# Altium PCB EVT_A.PcbDoc (part 1 of 2) (continued)
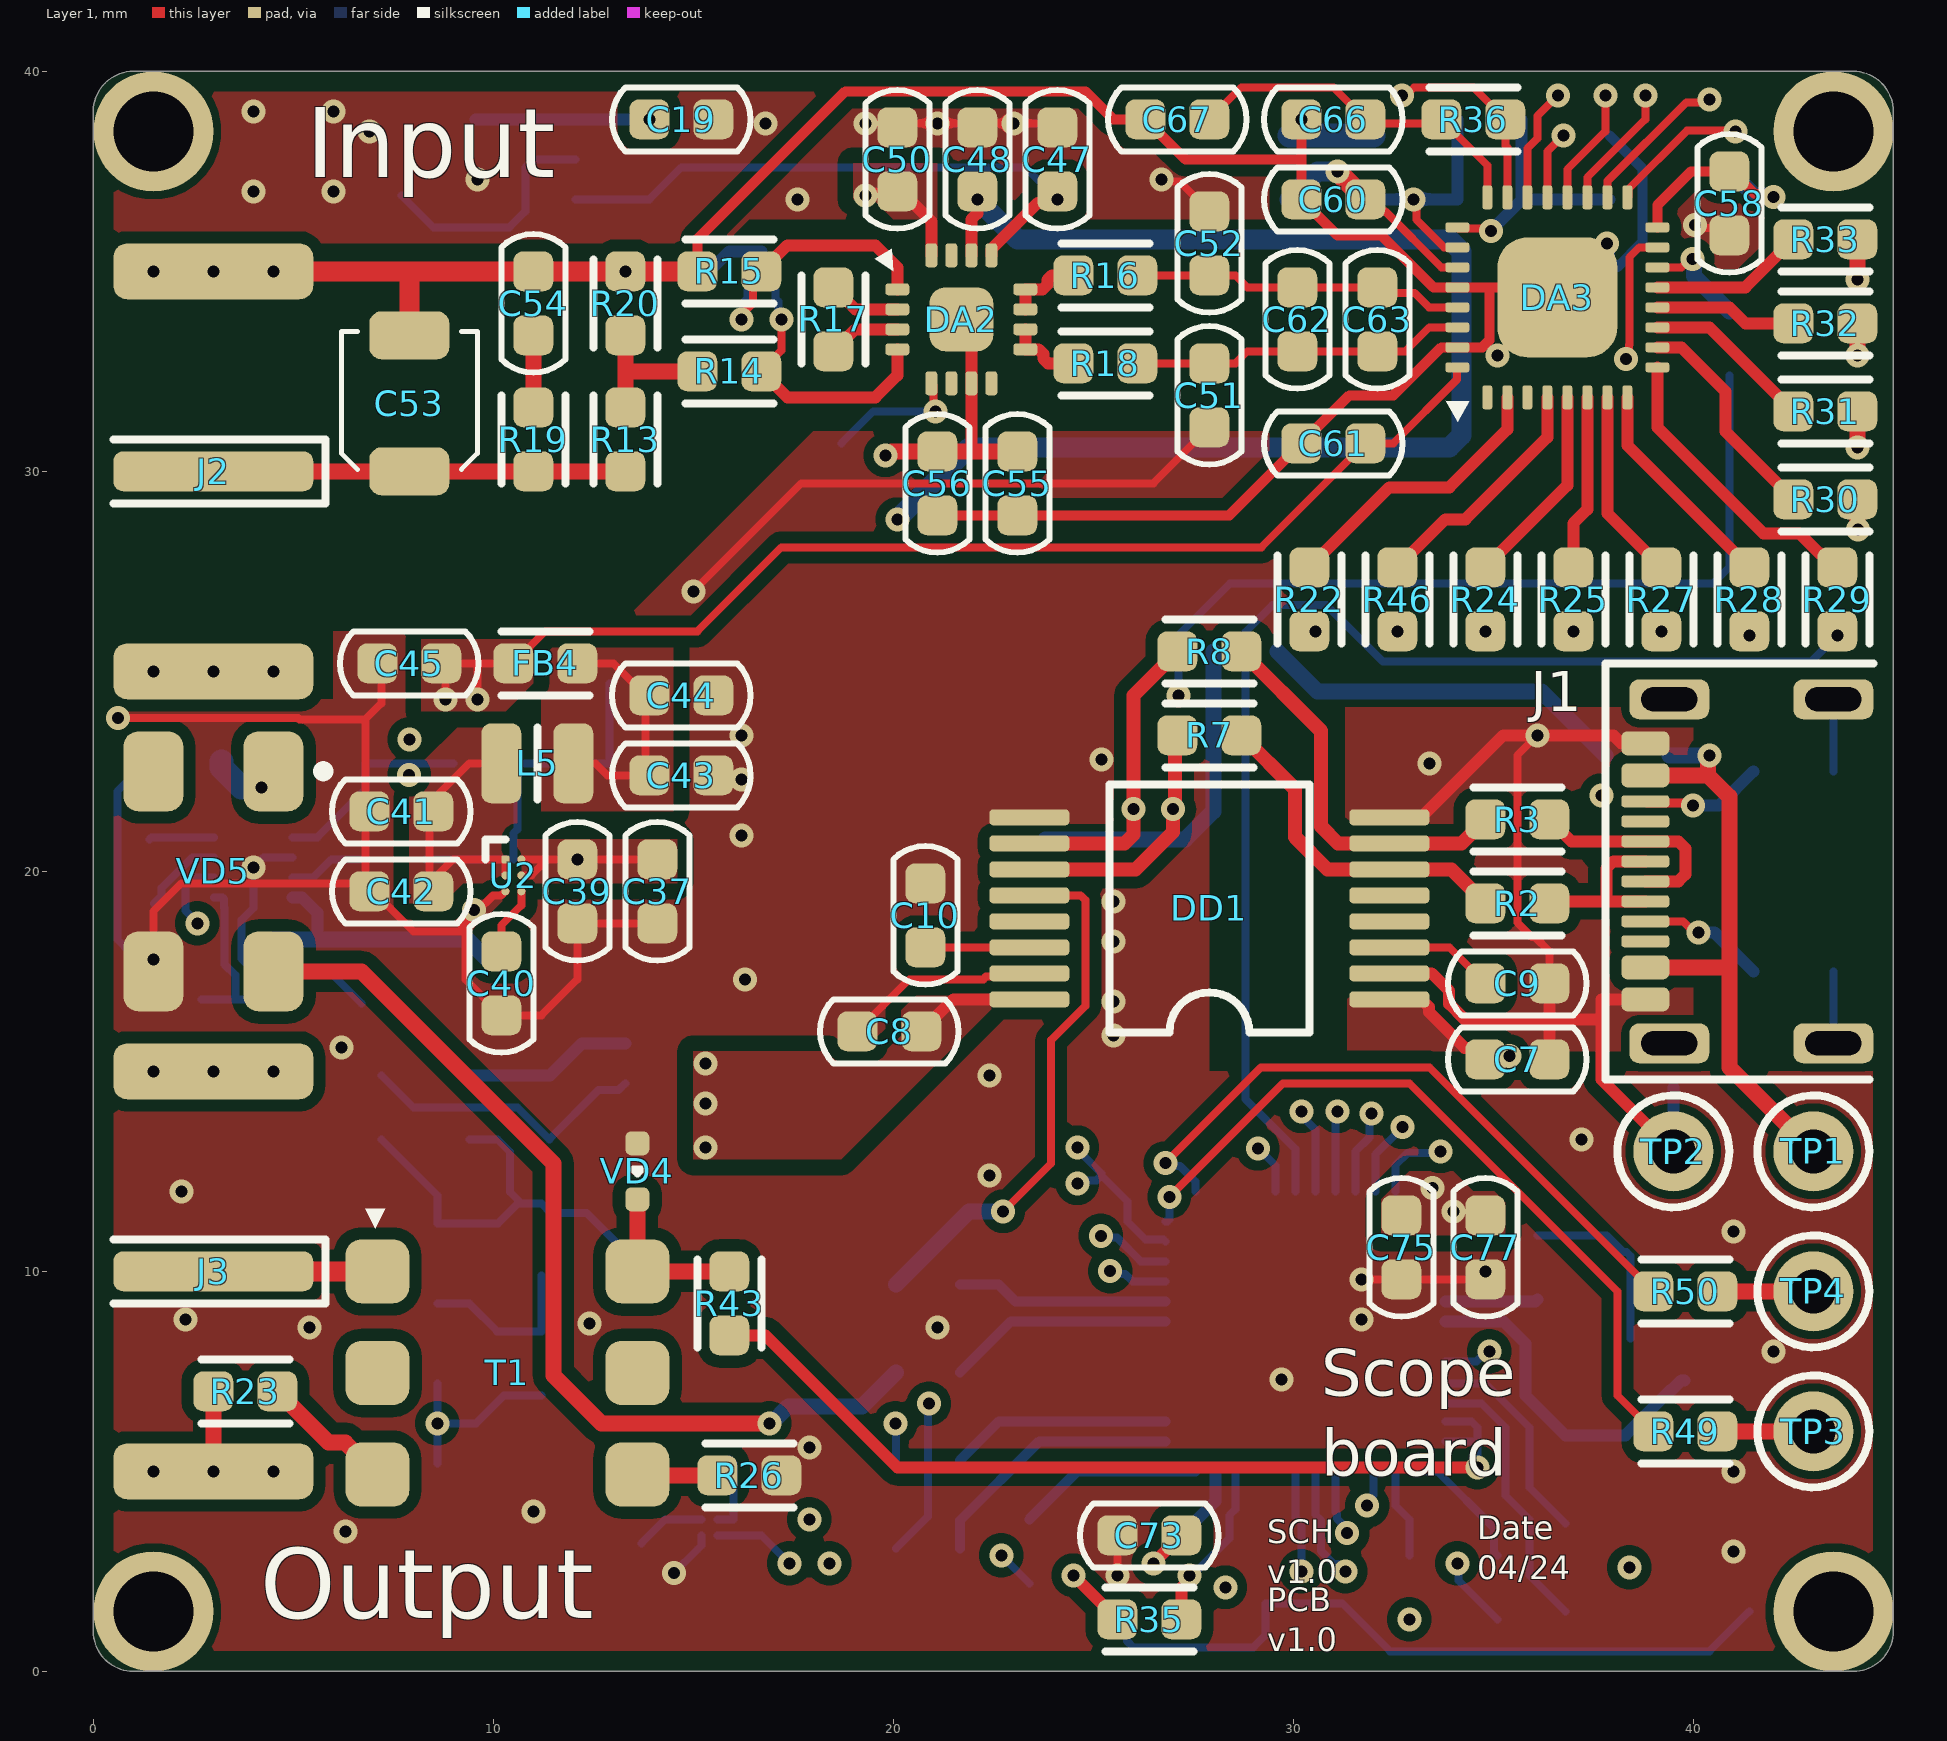
[diagram p0: Layer 1 view]
## Part data
C1 C3 C12 C15 C18 C19 C23 C26 C28 C31 C33 C36 C37 C38 C41 C43 C64 C67 C73 C78: library part MLCC, "16V 4.7uF X7S ±10% 0603 Multilayer Ceramic Capacitors MLCC - SMD/SMT ROHS", Case=0603, Manufacturer="Murata Electronics", Component Type=MLCC, ComponentLink1Description=Link, ComponentLink2Description=Datasheet, P/N=GRT188C71C475KE13D
  C1 C3 C12 C15 C18 C28 C31 C33 C36: ComponentLink1URL=https://eu.mouser.com/ProductDetail/Murata-Electronics/GRT155C81A475ME13D?qs=ufv2HEpFn%252BRTWI1%252Bv%2F3NwA%3D%3D, ComponentLink2URL=https://eu.mouser.com/datasheet/2/281/1/GRT155C81A475ME13_01A-3135426.pdf
  C64: ComponentLink1URL=https://eu.mouser.com/ProductDetail/Murata-Electronics/GRM155R61A106ME11D?qs=xZ%2FP%252Ba9zWqZMJSi57Q8OyA%3D%3D, ComponentLink2URL=https://eu.mouser.com/datasheet/2/281/1/GRM155R61A106ME11_01A-1983731.pdf
  C73: ComponentLink1URL=https://www.lcsc.com/product-detail/Multilayer-Ceramic-Capacitors-span-style-background-color-ff0-MLCC-span-SMD-SMT_Murata-Electronics-GRT188C71C475KE13D_C5160228.html, ComponentLink2URL=https://www.lcsc.com/datasheet/lcsc_datasheet_2209141730_Murata-Electronics-GRT188C71C475KE13D_C5160228.pdf
C2 C4 C7 C8 C9 C10 C11 C13 C14 C20 C24 C27 C29 C32 C39 C42 C44 C47 C48 C50 C55 C58 C60 C61 C65 C66 C68 C69 C72 C74 C75 C76 C77 C79: library part MLCC, "100V 100nF X7R ±10% 0603 Multilayer Ceramic Capacitors MLCC - SMD/SMT ROHS", Case=0603, Manufacturer="Kyocera AVX", Component Type=MLCC, ComponentLink1Description=Link, ComponentLink2Description=Datasheet, P/N=06031C104K4T2A
  C2 C7 C9 C10 C11: ComponentLink1URL=https://eu.mouser.com/ProductDetail/Murata-Electronics/GRM155C81H104ME14D?qs=IPQhFcwEUOignsDjW4gFkg%3D%3D, ComponentLink2URL=https://eu.mouser.com/datasheet/2/281/1/GRM155C81H104ME14_01A-1983691.pdf
  C75: ComponentLink1URL=https://www.lcsc.com/datasheet/lcsc_datasheet_2304140030_Kyocera-AVX-06031C104K4T2A_C1880996.pdf, ComponentLink2URL=https://www.lcsc.com/product-detail/Multilayer-Ceramic-Capacitors-span-style-background-color-ff0-MLCC-span-SMD-SMT_Kyocera-AVX-06031C104K4T2A_C1880996.html
C5 C16 C34: library part MLCC, "50V 2.2nF X7R ±5% 0603 Multilayer Ceramic Capacitors MLCC - SMD/SMT ROHS", Case=0603, Manufacturer="Kyocera AVX", Component Type=MLCC, ComponentLink1Description=Link, ComponentLink2Description=Datasheet, P/N=06035C222JAT2A
C6 C17 C35 C45: library part MLCC, "50V 390pF C0G ±5% 0603 Multilayer Ceramic Capacitors MLCC - SMD/SMT ROHS", Case=0603, Manufacturer=CCTC, Component Type=MLCC, ComponentLink1Description=Link, ComponentLink2Description=Datasheet, P/N=TCC0603COG391J500CT
C21 C22 C25 C30 C40 C46 C49 C56 C57 C59: library part MLCC, "25V 1uF X7R ±10% 0603 Multilayer Ceramic Capacitors MLCC - SMD/SMT ROHS", Case=0603, Manufacturer="IHHEC(HOLY STONE ENTERPRISE CO., LTD)", Component Type=MLCC, ComponentLink1Description=Link, ComponentLink2Description=Datasheet, P/N=C0603X105K025T
  C21 C22 C40 C46 C56 C57 C59: ComponentLink1URL=https://eu.mouser.com/ProductDetail/Murata-Electronics/GCM155C71A105ME38D?qs=QzBtWTOodeV5ddl%2FvWs3LA%3D%3D, ComponentLink2URL=https://eu.mouser.com/datasheet/2/281/1/GCM155C71A105ME38_01A-3142248.pdf
  C25: ComponentLink2URL=https://eu.mouser.com/datasheet/2/281/1/GCM155C71A105ME38_01A-3142248.pdf
  C49: ComponentLink1URL=https://www.lcsc.com/product-detail/Multilayer-Ceramic-Capacitors-span-style-background-color-ff0-MLCC-span-SMD-SMT_IHHEC-HOLY-STONE-ENTERPRISE-CO-LTD-C0603X105K025T_C559292.html, ComponentLink2URL=https://www.lcsc.com/datasheet/lcsc_datasheet_2304140030_IHHEC-HOLY-STONE-ENTERPRISE-CO---LTD-C0603X105K025T_C559292.pdf
C51 C52 C62 C63 C70 C71: library part MLCC, "50V 10pF C0G 0603 Multilayer Ceramic Capacitors MLCC - SMD/SMT ROHS", Case=0603, Manufacturer="Kyocera AVX", Component Type=MLCC, ComponentLink1Description=Link, ComponentLink2Description=Datasheet, P/N=06035A100DAT2A
  C51 C52: ComponentLink1URL=https://eu.mouser.com/ProductDetail/KEMET/C0402C100K5RACTU?qs=Mv7BduZupUgEdPvwNAxLRQ%3D%3D, ComponentLink2URL=https://eu.mouser.com/datasheet/2/447/KEM_C1002_X7R_SMD-3316098.pdf
C53: "Trimmer/Variable Capacitors 2.0 - 10pF 100volts", Case=JR, Manufacturer=Knowles, Component Type="Trimmer/Variable Capacitors", ComponentLink1Description=Datasheet, ComponentLink1URL=https://eu.mouser.com/datasheet/2/218/Knowles_Trimmers_Catalogue_web-1774092.pdf, ComponentLink2Description=Link, ComponentLink2URL=https://eu.mouser.com/ProductDetail/Knowles-Voltronics/JR100?qs=Xqu1B%2Fs4Uoag80ukOW5org%3D%3D, P/N=JR100
C54: library part MLCC, "Cercap smd", ComponentLink1Description=Link, ComponentLink2Description=Datasheet
DA1: "Isolated DC/DC Converters - SMD 1W 4.5-5.5Vin 5.0Vout 200mA Reel", Case=SOIC-16, Manufacturer=RECOM, Component Type="Isolated DC/DC Converters - SMD", ComponentLink1Description=Datasheet, ComponentLink1URL=https://eu.mouser.com/datasheet/2/468/RxxCTExxS-3179767.pdf, ComponentLink2Description=Link, ComponentLink2URL=https://eu.mouser.com/ProductDetail/RECOM-Power/R05CTE05S-R?qs=7D1LtPJG0i0SUCKLd%252BnSSQ%3D%3D, P/N=R05CTE05S-R
DA2: "Instrumentation Amplifiers Low-noise (3.2 nV/vHz) high-speed (22 MHz) fully-differential instrumentation amp with OVP (+/-40 V) 16-VQFN -40 to 125", Case=VQFN-16, Manufacturer="Texas Instruments", Component Type="Instrumentation Amplifiers", ComponentLink1Description=Datasheet, ComponentLink1URL=https://www.ti.com/lit/ds/symlink/ina851.pdf?ts=1707581186124&ref_url=https%253A%252F%252Feu.mouser.com%252F, ComponentLink2Description=Link, ComponentLink2URL=https://eu.mouser.com/ProductDetail/Texas-Instruments/INA851RGTR?qs=Y0Uzf4wQF3kbGQkgMC0HWQ%3D%3D, P/N=INA851RGTR
DA3: library part AD9245, "Analog to Digital Converters - ADC 14-Bit, 20 MSPS/40 MSPS/65 MSPS/80 MSPS 3 V A/D Converter", Case=LFCSP-32, Manufacturer="Analog Devices Inc.", Component Type="Analog to Digital Converters - ADC", ComponentLink1Description=Datasheet, ComponentLink1URL=https://eu.mouser.com/datasheet/2/609/AD9245-3134626.pdf, ComponentLink2Description=Link, ComponentLink2URL=https://eu.mouser.com/ProductDetail/Analog-Devices/AD9245BCPZ-20?qs=%2FtpEQrCGXCyn%2FB%2F5xLQAJw%3D%3D, P/N=AD9245BCPZ-20
DD1: "USB Interface IC Low-emission isolated USB repeater supporting low and full speed 16-SSOP -40 to 125", Case=SSOP-16, Manufacturer="Texas Instruments", Component Type="USB Interface IC", ComponentLink1Description=Datasheet, ComponentLink1URL=https://www.ti.com/lit/ds/symlink/isousb111.pdf?ts=1708034758891&ref_url=https%253A%252F%252Fwww.ti.com%252Fproduct%252FISOUSB111, ComponentLink2Description=Link, ComponentLink2URL=https://eu.mouser.com/ProductDetail/Texas-Instruments/ISOUSB111DWXR?qs=Y0Uzf4wQF3msEozH7EwD3g%3D%3D, P/N=ISOUSB111DWXR
DD2: "Voltage References 650-nA quiescent current, 12-ppm/C drift, ultra-low-power precision voltage reference", Case=SOT-23-6, Manufacturer="Texas Instruments", Component Type="Voltage References", ComponentLink1Description=Datasheet, ComponentLink1URL=https://www.ti.com/lit/ds/symlink/ref35.pdf?ts=1709124227613&ref_url=https%253A%252F%252Fwww.mouser.de%252F, ComponentLink2Description=Link, ComponentLink2URL=https://eu.mouser.com/ProductDetail/Texas-Instruments/REF35160QDBVR?qs=rQFj71Wb1eVJh8regkgQhg%3D%3D, P/N=REF35160QDBVR
DD3: "Switching Voltage Regulators 1.5MHz DC/DC 2.6V to 16V", Case=SOT-23-5, Manufacturer="Diodes Incorporated", Component Type="Switching Voltage Regulators", ComponentLink1Description=Datasheet, ComponentLink1URL=https://www.diodes.com/assets/Datasheets/AP3012.pdf, ComponentLink2Description=Link, ComponentLink2URL=https://eu.mouser.com/ProductDetail/Diodes-Incorporated/AP3012KTR-G1?qs=x6A8l6qLYDDQ%252B3KTjfzHFg%3D%3D, P/N=AP3012KTR-G1
DD4: "Switching Voltage Regulators Low-Noise Regulated Switched Capacitor", Case=WSON-8, Manufacturer="Texas Instruments", Component Type="Switching Voltage Regulators", ComponentLink1Description=Datasheet, ComponentLink1URL=https://www.ti.com/lit/ds/symlink/lm27761.pdf?ts=1709149591323&ref_url=https%253A%252F%252Feu.mouser.com%252F, ComponentLink2Description=Link, ComponentLink2URL=https://eu.mouser.com/ProductDetail/Texas-Instruments/LM27761DSGT?qs=jK8VN%252BJp1h5Sdnd3ViQCNQ%3D%3D, P/N=LM27761DSGT
DD5: "ARM Microcontrollers - MCU Mainstream Arm Cortex-M4 MCU 170 MHz 128 Kbytes of Flash Math Accel, Medium Anal", Case=UFQFPN-48, Manufacturer=STMicroelectronics, Component Type="ARM Microcontrollers - MCU", ComponentLink1Description=Datasheet, ComponentLink1URL=https://eu.mouser.com/datasheet/2/389/stm32g431c6-1600866.pdf, ComponentLink2Description=Link, ComponentLink2URL=https://eu.mouser.com/ProductDetail/STMicroelectronics/STM32G431CBU3?qs=PzGy0jfpSMuhNWEWgwfZ0w%3D%3D, P/N=STM32G431CBU3
F1: "Surface Mount Fuses 32V 3.15A Fast Act", Case=0603, Manufacturer=Vishay, Component Type="Surface Mount Fuses", ComponentLink1Description=Datasheet, ComponentLink1URL=https://www.vishay.com/docs/28747/mfuserie.pdf, ComponentLink2Description=Link, ComponentLink2URL=https://eu.mouser.com/ProductDetail/Vishay-Beyschlag/MFU0603FF03150P500?qs=sGAEpiMZZMsIz3CjQ1xegdfpEu45NLwazbH8oP2SIn8%3D, P/N=MFU0603FF03150P500
FB1 FB2 FB3 FB4: "Ferrite Beads 1000ohm 0.8A 300mOhm 0603 Ferrite Chip", Case=0603, Manufacturer=TDK, Component Type="Ferrite Beads", ComponentLink1Description=Datasheet, ComponentLink1URL=https://product.tdk.com/system/files/dam/doc/product/emc/emc/beads/catalog/beads_commercial_power_mpz1608_en.pdf, ComponentLink2Description=Link, ComponentLink2URL=https://eu.mouser.com/ProductDetail/TDK/MPZ1608S102ATA00?qs=8Kz9Wu9QwqXjw56MUD5REw%3D%3D, P/N=MPZ1608S102ATA00
G1: "Crystals 32.000 MHz 8 pF +/-7 +/-10 -20 +70 C +/-2 ppm Max. ESR = 50", Case="2 mm x 1.6 mm", Manufacturer=ECS, Component Type=Crystals, ComponentLink1Description=Datasheet, ComponentLink1URL=https://eu.mouser.com/datasheet/2/122/ECX_1637B2-2400564.pdf, ComponentLink2Description=Link, ComponentLink2URL=https://eu.mouser.com/ProductDetail/ECS/ECS-320-8-37B2-7KM-TR?qs=QNEnbhJQKvYRM5nE5d%2F8vg%3D%3D, P/N=ECS-320-8-37B2-7KM-TR
J1: library part 217179-0001, "USB Connectors Top-Mnt SMT 16Ckt Type C Rec.", Case="16 Contact", Manufacturer=XUNPU, Component Type="USB Connectors", ComponentLink1Description=Datasheet, ComponentLink1URL=https://www.molex.com/en-us/products/part-detail/2171790001, ComponentLink2Description=Link, ComponentLink2URL=https://eu.mouser.com/ProductDetail/Molex/217179-0001?qs=DRkmTr78QAQqCH4BoIR1xg%3D%3D, P/N=TYPEC-309-ACP16L65
J2 J3: "RF Connectors / Coaxial Connectors BNC PCB END LAUNCH 50 OHM RND BODY", Case=BNC, Manufacturer=Amphenol, Component Type="Jack (Socket)", ComponentLink1Description=Datasheet, ComponentLink1URL=https://eu.mouser.com/datasheet/2/18/1/amph_s_a0003617014_1-2261107.pdf, ComponentLink2Description=Link, ComponentLink2URL=https://eu.mouser.com/ProductDetail/Amphenol-RF/112640?qs=g6wJ%252BjiQWOckvE%2FP9L4wAw%3D%3D, P/N=112640
L1 L2 L3 L4 L5: "Power Inductors - SMD IND 10uH 1.2A 420mOhms", Case="0907 (2520 metric)", Manufacturer=ABRACON, Component Type="Power Inductors - SMD", ComponentLink1Description=Datasheet, ComponentLink2Description=Link, P/N=AOTA-B252010S100MT
R1 R2 R3 R7 R8 R13 R16 R18 R21 R22 R24 R25 R27 R28 R29 R30 R31 R32 R33 R34 R35 R37 R38 R39 R43 R44 R45 R46 R47 R49 R50 R51: library part "SMD Resistor", "Res SMD", Case=0603, Manufacturer=VO, ComponentLink1Description=Datasheet, ComponentLink2Description=Link
  R1 R8: P/N=SCR0603J0R
  R2: ComponentLink1URL=https://eu.mouser.com/datasheet/2/315/AOA0000C301-1488782.pdf, ComponentLink2URL=https://eu.mouser.com/ProductDetail/Panasonic/ERJ-2GEJ220X?qs=sGAEpiMZZMvdGkrng054t8ugkoYZivkgE05%252BFXPHW90%3D, P/N=SCR0603J22R
  R3 R16 R18 R22 R24 R25 R27 R28 R29 R30 R31 R32 R33 R34 R35 R37 R38 R39 R43 R44 R45 R46 R47 R49 R50: P/N=SCR0603J22R
  R7 R13 R21: ComponentLink1URL=https://www.lcsc.com/datasheet/lcsc_datasheet_2205131800_VO-SCR0603J0R_C3017805.pdf, ComponentLink2URL=https://www.lcsc.com/product-detail/Chip-span-style-background-color-ff0-Resistor-span-Surface-Mount_VO-SCR0603J0R_C3017805.html, P/N=SCR0603J0R
  R51: ComponentLink1URL=https://www.lcsc.com/datasheet/lcsc_datasheet_2205131800_VO-SCR0603J22R_C3017773.pdf, ComponentLink2URL=https://www.lcsc.com/product-detail/Chip-span-style-background-color-ff0-Resistor-span-Surface-Mount_VO-SCR0603J22R_C3017773.html, P/N=SCR0603J22R
R4 R5 R42: library part "SMD Resistor", "100mW Thick Film Resistors 75V ±1% 5.1kΩ 0603 Chip Resistor - Surface Mount ROHS", Case=0603, Manufacturer=VO, ComponentLink1Description=Datasheet, ComponentLink2Description=Link, P/N=SCR0603F5K1
  R4 R5: ComponentLink1URL=https://eu.mouser.com/datasheet/2/315/AOA0000C304-1149620.pdf, ComponentLink2URL=https://eu.mouser.com/ProductDetail/Panasonic/ERJ-2RKF2202X?qs=sGAEpiMZZMvdGkrng054t8AJgcdMkx7xGCv6QlnvaAM%3D
  R42: ComponentLink1URL=https://www.lcsc.com/datasheet/lcsc_datasheet_2206021245_VO-SCR0603F5K1_C3016319.pdf, ComponentLink2URL=https://www.lcsc.com/product-detail/Chip-span-style-background-color-ff0-Resistor-span-Surface-Mount_VO-SCR0603F5K1_C3016319.html
R6 R20: library part "SMD Resistor", "100mW ±25ppm/℃ ±0.1% 1MΩ 0603 Chip Resistor - Surface Mount ROHS", Case=0603, Manufacturer="Viking Tech", ComponentLink1Description=Datasheet, ComponentLink2Description=Link, P/N=AR03BTCX1004
  R6: ComponentLink1URL=https://www.lcsc.com/datasheet/lcsc_datasheet_2308241947_FOJAN-FRC0603J105-TS_C2907115.pdf, ComponentLink2URL=https://www.lcsc.com/product-detail/Chip-span-style-background-color-ff0-Resistor-span-Surface-Mount_FOJAN-FRC0603J105-TS_C2907115.html
R9 R11: library part "SMD Resistor", "100mW Thick Film Resistors 75V ±5% 20kΩ 0603 Chip Resistor - Surface Mount ROHS", Case=0603, Manufacturer=VO, ComponentLink1Description=Datasheet, ComponentLink2Description=Link, P/N=SCR0603J20K
  R9: ComponentLink1URL=https://eu.mouser.com/datasheet/2/210/kamaya_products_RGC__english_20170424_101024-1651573.pdf, ComponentLink2URL=https://eu.mouser.com/ProductDetail/Kamaya/RGC1-16SC1001DTH?qs=KAq9QXcE8HAz3iV8i32W5A%3D%3D
R10 R12 R23 R36 R40: library part "SMD Resistor", "100mW Thick Film Resistors 75V ±5% 10kΩ 0603 Chip Resistor - Surface Mount ROHS", Case=0603, Manufacturer=VO, ComponentLink1Description=Datasheet, ComponentLink2Description=Link, P/N=SCR0603J10K
R14 R15 R17: library part "SMD Resistor", "Thick Film Resistors - SMD 0402 1K0 0.5%", Case=0603, Manufacturer="UNI-ROYAL(Uniroyal Elec)", ComponentLink1Description=Datasheet, ComponentLink1URL=https://eu.mouser.com/datasheet/2/210/kamaya_products_RGC__english_20170424_101024-1651573.pdf, ComponentLink2Description=Link, ComponentLink2URL=https://eu.mouser.com/ProductDetail/Kamaya/RGC1-16SC1001DTH?qs=KAq9QXcE8HAz3iV8i32W5A%3D%3D, P/N=TC0325B1501T5F
R19: library part "SMD Resistor", "Res SMD", ComponentLink1Description=Datasheet, ComponentLink2Description=Link
R26 R48: library part "SMD Resistor", "100mW Thick Film Resistors 75V ±100ppm/℃ ±5% 100Ω 0603 Chip Resistor - Surface Mount ROHS", Case=0603, Manufacturer=RALEC, ComponentLink1Description=Datasheet, ComponentLink2Description=Link, P/N=RTT03101JTP
R41: library part "SMD Resistor", "Thick Film Resistors - SMD 0402 1K0 0.5%", Case=0603, Manufacturer=VO, ComponentLink1Description=Datasheet, ComponentLink2Description=Link, P/N=SCR0603J20K
T1: library part PWB1010L, "Audio Transformers / Signal Transformers PWB Wideband RF 1:1 0.0035-125 MHz", Manufacturer=Coilcraft, ComponentLink1Description=Datasheet, ComponentLink1URL=https://eu.mouser.com/datasheet/2/597/pwb-463529.pdf, ComponentLink2Description=Link, ComponentLink2URL=https://eu.mouser.com/ProductDetail/Coilcraft/PWB1010LC?qs=ZYnrCdKdyeesEVMGru6ImA%3D%3D, P/N=PWB1010LC
TP1 TP2 TP3 TP4: "PCB TEST POINT BLUE", Case=THT, Manufacturer="Keystone Electronics", Component Type="Test point", ComponentLink1Description=Datasheet, ComponentLink1URL=https://ru.mouser.com/datasheet/2/215/5115_5119-744073.pdf, ComponentLink2Description=Link, ComponentLink2URL=https://ru.mouser.com/ProductDetail/Keystone-Electronics/5117?qs=%2Fha2pyFadujSuVybhyFc6oqj%252BXCGMBBx2uPmIz4OBqU%3D, P/N=5117
U1 U2: "LDO Voltage Regulators LDO Linear Voltage Regulator 1.5A 3.3V", Case=WCSP-6F-6, Manufacturer=Toshiba, Component Type="LDO Voltage Regulators", ComponentLink1Description=Datasheet, ComponentLink1URL=https://eu.mouser.com/datasheet/2/408/TCR15AG33_datasheet_en_20230824-1916466.pdf, ComponentLink2Description=Link, ComponentLink2URL=https://eu.mouser.com/ProductDetail/Toshiba/TCR15AG33LF?qs=W0yvOO0ixfEdwQi51FhISQ%3D%3D, P/N=TCR15AG33,LF
VD2 VD4: "Schottky Diodes & Rectifiers TRENCH SCHOTTKY TI BARRIER FOR BOOST CONVERTERS LOW POWER", Case=SOD-523-2, Manufacturer=onsemi, Component Type="Schottky Diodes & Rectifiers", ComponentLink1Description=Datasheet, ComponentLink1URL=https://www.mouser.de/datasheet/2/308/1/NSR05T40XV2_D-2318283.pdf, ComponentLink2Description=Link, ComponentLink2URL=https://www.mouser.de/ProductDetail/onsemi/NSR05T40XV2T5G?qs=8hV9pjh0QhPa2G06GHkD%2FQ%3D%3D, P/N=NSR05T40XV2T5G
VD3: "ESD Suppressors / TVS Diodes 2 Channel ESD/ Surge Solution", Case=SOT-9X3, Manufacturer="Texas Instruments", Component Type="ESD Suppressors / TVS Diodes", ComponentLink1Description=Datasheet, ComponentLink1URL=https://www.ti.com/lit/ds/symlink/tpd2eusb30.pdf?ts=1708175608995&ref_url=https%253A%252F%252Feu.mouser.com%252F, ComponentLink2Description=Link, ComponentLink2URL=https://eu.mouser.com/ProductDetail/Texas-Instruments/TPD2EUSB30ADRTR?qs=O1HRStiETCgOfMa6oTfOlg%3D%3D, P/N=TPD2EUSB30ADRTR
VD5: library part WS2812, "RGB SMD5050 Light Emitting Diodes (LED) ROHS", Case=SMD5050, Manufacturer=Worldsemi, Component Type="RGB LED", ComponentLink1Description=Datasheet, ComponentLink1URL=https://datasheet.lcsc.com/lcsc/1810231210_Worldsemi-WS2812C_C114587.pdf, ComponentLink2Description=Link, ComponentLink2URL=https://www.lcsc.com/product-detail/Light-Emitting-Diodes-LED_Worldsemi-WS2812C_C114587.html, P/N=WS2812C

## Free pads (board coordinates)
  round 3 hole 2 mask+0.051: 0(1.5,1.5) 0(1.5,38.5) 0(43.5,1.5) 0(43.5,38.5)

## Via types
v1: diameter 0.6, hole 0.3, Layer 1 to Layer 6, tented both sides, 154 vias

## Nets (pads, with @x,y where several pads share a name; then routed paths per layer and width w, separated by ;. In a path a pad name is that pad's centre, name@x,y a point inside that pad or via, vN(x,y) a via of type N, cw(c..) or ccw(c..) an arc to the next point about the centre after c; other vN are vias at no path point)
+3.3VADC: C45.1 C50.2 C59.2 C60.2 C61.2 C78.1 C79.1 DA2.16 DA3.27 DA3.32 DD5.20 DD5.21 FB4.1 | length 38.8
  Layer 1 w0.2: v1(8.8,24.3) 8.8,25.2 9.65,25.2 ; v1(9.6,24.3) 9.6,25.15 9.65,25.2 ; C60.2@31.8,36.8 32.107,36.493 32.307,36.493 33.7,35.1 DA3.27@34.1,35.1 ; DA3.32@34.1,32.6 34.092,32.592 34.092,32.292 32.5,30.7 C61.2@31.8,30.7 29.2,28.1 17.2,28.1 15.1,26 11.3,26 FB4.1@10.5,25.2 9.65,25.2
  Layer 1 w0.3: v1(19.3,36.9) 19.35,36.95 19.95,36.95 20.1,37.1 20.95,36.25 DA2.16@20.95,35.4
  Layer 1 w0.5: v1(31.1,37.5) C60.2@31.8,36.8
  Layer 6 w0.5: C59.2@29.9,36.8 30.6,37.5 v1(31.1,37.5)
  other v1: 28.3,2.1
+3.3VDC: C26.1 C27.1 C57.2 C58.2 C72.1 C73.1 C74.1 C75.1 C76.1 C77.1 DA3.16 DD5.1 DD5.23 DD5.35 DD5.48 U1.1A U1.1B VD5.1 | length 17.6
  Layer 1 w0.25: DA3.16@39.1,36.1 39.1,36.654 39.946,37.5 40.968,37.5 41.541,36.927 41.941,36.927 v1(42.008,36.86)
  Layer 1 w0.3: v1(26.5,2.7) C73.1@27.2,3.4
  Layer 1 w0.4: v1(4.2,22.1) 4.4,22.3 4.4,22.4 VD5.1@4.5,22.5
  Layer 6 w0.2: U1.1B@15.6,3.4 U1.1A@16,3.4 16.7,3.4 v1(17.4,2.7) ; v1(24.6,12.2) 24.677,12.277 25.077,12.277 C76.1@25.2,12.4 ; v1(24.6,13.1) 24.6,13.05 25.2,12.45 C76.1@25.2,12.4 ; DD5.35@26.8,10.75 26.76,10.79 26.31,10.79 25.85,11.25 25.85,11.75 C76.1@25.2,12.4
  Layer 6 w0.3: v1(26.5,2.7) 28.05,4.25 DD5.23@28.05,5
  Layer 6 w0.4: C57.2@40.9,37.5 40.927,37.5 41.529,36.898 41.97,36.898 v1(42.008,36.86)
  Layer 6 w0.6: C72.1@3.2,22.74 3.2,22.6 3.7,22.1 v1(4.2,22.1)
  other v1: 18.4,2.7 17.9,3.8 34,11.5 33.483,12.084
+Vboost: C17.1 C18.1 C48.2 C49.2 DA2.14 FB2.1 | length 68.9
  Layer 1 w0.3: DA2.14@21.95,35.4 21.95,36.3 22.1,36.45 v1(22.1,36.8) C48.2@22.1,37 C48.2@22.1,37.1
  Layer 5 w0.5: v1(8.6,6.2) 13.2,6.2 17.1,10.1 17.1,24 20.1,27 v1(20.1,28.8)
  Layer 6 w0.2: C18.1@8.6,5.2 v1(8.6,6.2) ; C17.1@8.6,7.2 v1(8.6,6.2) ; FB2.1@11.2,6.9 10.264,6.9 9.564,6.2 v1(8.6,6.2)
  Layer 6 w0.5: v1(20.1,28.8) 21.9,30.6 33.907,30.6 34.2,30.893 34.2,35.5 33.9,35.8 23.1,35.8 v1(22.1,36.8)
+Vin: C6.1 C8.1 C12.1 C13.1 C19.1 C20.1 C23.1 C24.1 C28.1 C29.1 C37.1 C38.1 C39.1 DD1.16 DD2.3 DD2.4 DD3.4 DD3.5 DD4.1 DD4.6 FB1.1 L2.1 U1.2A U1.2B U2.2A U2.2B | length 77.9
  Layer 1 w0.2: U2.2B@10.7,19.9 10.95,19.9 11.35,20.3 ; U2.2A@10.7,20.3 11.35,20.3 ; C37.1@14.1,20.3 v1(12.1,20.3) 11.35,20.3
  Layer 1 w0.3: C8.1@20.7,16 21.5,16.8 DD1.16@23.4,16.8
  Layer 5 w0.3: v1(7.9,23.3) 7.9,25.4 8.6,26.1 13,26.1 16.6,29.7 19.504,29.7 19.508,29.696 20.092,29.696 20.096,29.7 23,29.7 24.55,31.25 33.574,31.25 33.75,31.426 33.75,37.25 31.496,39.504 14.604,39.504 v1(13.9,38.8)
  Layer 6 w0.2: v1(2.6,18.7) 2.6,18.717 2.3,19.017 2.3,19.605 2.545,19.85 DD4.6@3.015,19.85 ; DD4.1@4.985,20.85 5.6,20.85 6.8,22.05 C28.1@6.8,22.7 C29.1@9,22.7 ; U1.2B@15.6,3.8 U1.2A@16,3.8 16,5.2 C23.1@15.9,5.3
  Layer 6 w0.3: DD2.3@9.55,38.8 DD2.4@12.05,38.8 v1(13.9,38.8)
  other v1: 15.3,13.1 15.3,14.2 15.3,15.2 7.894,22.41
+Vusb: C1.1 C2.1 C7.1 DA1.3 DA1.4 DD1.1 F1.2 R1.1 | length 20.5
  Layer 1 w0.3: DD1.1@32.4,16.8 33.2,16.8 33.394,16.606 33.394,16.48 34.285,15.588 34.512,15.588 34.85,15.25 34.941,15.341 35.359,15.341 v1(35.4,15.381)
  Layer 2 w0.3: v1(35.4,15.381) 35.4,19.6 v1(37.7,21.9)
  Layer 6 w0.4: R1.1@29.6,25.5 30.6,24.5 36.2,24.5 F1.2@37.8,22.9
-Vneg: C35.1 C36.1 C55.2 C56.2 DA2.7 FB3.1 | length 6.7
  Layer 1 w0.3: DA2.7@21.7,33.8 21.95,33.55 DA2.7@21.95,32.2 21.95,30.5
  Layer 1 w0.4: v1(19.8,30.4) 19.854,30.4 19.954,30.5 21.95,30.5 C55.2@23.1,30.5
ADC_CLK: DD5.8 R22.2 | length 26.4
  Layer 5 w0.2: v1(30.557,26) 28.3,26 28.1,25.8 28.1,11.3 31.4,8 v1(34.9,8)
  Layer 6 w0.2: DD5.8@33.8,7.75 34.583,7.75 34.833,8 v1(34.9,8)
AGND: C53.2 C54.2 C55.1 C56.1 C59.1 C60.1 C61.1 C66.1 C67.2 C68.1 C69.1 DA3.28 DA3.31 J2.2 R15.1 R20.1 R21.1 VD3.3 | length 69.4
  Layer 1 w0.25: R15.1@15.1,35 15.1,35.8 18.8,39.5 24.8,39.5 25.5,38.8 C67.2@26.3,38.8 27.3,37.8 30.2,37.8 ; C56.1@21.1,28.9 C55.1@23.1,28.9 28.4,28.9 C61.1@30.2,30.7 31.4,31.9 32.5,31.9 33.7,33.1 DA3.31@34.1,33.1 34.724,33.1 34.9,33.276 34.9,34.6 ; v1(30.2,38.8) 30.2,37.8 ; v1(37.845,35.697) 37.845,35.646 36.6,34.401 DA3.28@36.6,34.35 36.35,34.6 34.9,34.6 ; 30.2,37.8 C60.1@30.2,36.8 31.1,35.9 32.2,35.9 33.5,34.6 DA3.28@34.1,34.6 34.9,34.6
  Layer 1 w0.5: v1(4.5,35) 7.9,35 ; C53.2@7.9,33.4 7.9,35 ; R15.1@15.1,35 v1(13.3,35) C54.2@11,35 7.9,35
  Layer 6 w0.25: v1(37.845,35.697) 37.912,35.63 37.912,35.294 38.103,35.103 38.725,35.725 38.725,37.575 C69.1@37.9,38.4
  Layer 6 w0.3: v1(13.3,35) 15.4,35 15.9,35.5 VD3.3@16.7,35.5 ; C59.1@29.9,38.4 30.2,38.7 v1(30.2,38.8)
  Layer 6 w0.6: C59.1@29.9,38.4 C68.1@32,38.4
  other v1: 1.5,25 3,25 4.5,25 35.1,32.9 1.5,35 3,35
D_0: DD5.17 R24.2 | length 38.7
  Layer 1 w0.4: R24.2@34.8,25.9 v1(34.8,26)
  Layer 5 w0.2: v1(31.347,3.453) 26.3,8.5 25.1,8.5 23.4,10.2 23.4,22.8 27.654,27.054 33.746,27.054 v1(34.8,26)
  Layer 6 w0.2: DD5.17@31.05,5 31.05,3.981 31.093,3.939 31.093,3.816 31.347,3.562 v1(31.347,3.453)
D_1: DD5.18 R25.2 | length 45.1
  Layer 1 w0.4: R25.2@37,25.9 v1(37,26)
  Layer 5 w0.2: v1(31.3,2.5) 25.7,8.1 24.8,8.1 21.7,11.2 21.7,22 27.154,27.454 35.546,27.454 v1(37,26)
  Layer 6 w0.2: DD5.18@30.55,5 30.55,3.916 30.693,3.773 30.693,3.007 31.022,2.678 31.114,2.678 31.292,2.5 v1(31.3,2.5)
D_2: DD5.19 R27.2 | length 47.7
  Layer 1 w0.4: R27.2@39.1,25.9 39.2,25.9 v1(39.2,26)
  Layer 5 w0.2: v1(30.2,2.5) 25,7.7 24.4,7.7 21.2,10.9 21.2,22.2 26.854,27.854 37.346,27.854 v1(39.2,26)
  Layer 6 w0.2: DD5.19@30.05,5 30.05,3.85 30.2,3.7 v1(30.2,2.5)
D_3: DD5.41 R28.2 | length 27.1
  Layer 2 w0.2: v1(29.115,13.065) 28.3,13.88 28.3,25.229 28.417,25.346 40.846,25.346 v1(41.4,25.9)
  Layer 6 w0.2: v1(29.115,13.065) 29.135,13.065 29.55,12.65 DD5.41@29.55,12
D_4: DD5.42 R29.2 | length 30.4
  Layer 6 w0.2: DD5.42@30.05,12 30.05,13.055 28.8,14.305 28.8,25.978 29.476,26.654 30.828,26.654 32.236,25.246 42.946,25.246 v1(43.6,25.9)
D_5: DD5.43 R30.2 | length 36.4
  Layer 1 w0.4: R30.2@44.1,29.2 44.11,29.19 44.11,28.56 v1(44.119,28.55)
  Layer 2 w0.2: v1(30.2,14) 30.2,13.1 29.5,12.4 28.855,12.4 27.8,13.455 27.8,25.4 29.1,26.7 42.269,26.7 v1(44.119,28.55)
  Layer 6 w0.2: v1(30.2,14) 30.2,13.892 30.55,13.542 DD5.43@30.55,12
D_6: DD5.44 R31.2 | length 42.4
  Layer 1 w0.4: v1(44.1,30.6) R31.2@44.1,31.4
  Layer 2 w0.2: v1(31.1,14) 31.1,13.3 29.75,11.95 28.48,11.95 24.5,15.93 24.5,23.5 28.2,27.2 40.7,27.2 v1(44.1,30.6)
  Layer 6 w0.2: DD5.44@31.05,12 31.05,13.95 v1(31.1,14)
D_7: DD5.45 R32.2 | length 47.4
  Layer 1 w0.4: v1(44.1,32.9) R32.2@44.1,33.6
  Layer 2 w0.2: v1(31.952,13.948) 31.952,13.252 29.9,11.2 26.5,11.2 26,11.7 26,13.7 24,15.7 24,23.9 27.8,27.7 38.9,27.7 v1(44.1,32.9)
  Layer 6 w0.2: DD5.45@31.55,12 31.55,12.996 31.902,13.348 31.902,13.897 v1(31.952,13.948)
D_8: DD5.46 R33.2 | length 50.7
  Layer 1 w0.4: v1(44.1,34.8) R33.2@44.1,35.8
  Layer 2 w0.2: v1(32.734,13.604) 32.695,13.565 32.695,13.195 30.2,10.7 26.3,10.7 25.6,11.4 25.6,13.4 23.5,15.5 23.5,24.1 27.6,28.2 38.1,28.2 44.1,34.2 v1(44.1,34.8)
  Layer 6 w0.2: DD5.46@32.05,12 32.05,12.92 v1(32.734,13.604)
D_9: DD5.47 R34.2 | length 52
  Layer 5 w0.2: v1(27.125,24.4) 27.642,23.883 27.642,10.858 31.154,7.346 35.171,7.346 35.554,7.729 35.554,11.121 v1(33.677,12.998)
  Layer 6 w0.2: v1(27.125,24.4) 27.125,25.903 28.422,27.2 40.5,27.2 40.9,27.6 R34.2@40.9,32.4 ; DD5.47@32.55,12 32.55,12.65 32.857,12.957 33.636,12.957 v1(33.677,12.998)
D_10: DD5.22 R35.2 | length 4.3
  Layer 1 w0.3: R35.2@27.2,1.3 27.2,2.092 27.4,2.292 v1(27.4,2.4)
  Layer 6 w0.2: v1(27.4,2.4) 27.478,2.4 28.4,3.322 28.4,3.9 28.55,4.05 DD5.22@28.55,5
D_11: DD5.24 R37.2 | length 4.6
  Layer 6 w0.25: R37.2@23.4,3.8 24.6,5 DD5.24@27.55,5
D_12: DD5.25 R38.2 | length 6.6
  Layer 6 w0.25: R38.2@21.669,3.075 21.669,3.769 23.65,5.75 DD5.25@26.8,5.75
D_13: DD5.26 R39.2 | length 5.5
  Layer 6 w0.25: R39.2@21.669,5.275 22.644,6.25 DD5.26@26.8,6.25